# Altium PCB PCB1.PcbDoc
Units mm, origin at the board's own origin, x right, y up, seen from the top; angles counter-clockwise.
Board outline 83.73 x 56.93 mm, 2 copper layers (Top Layer, Bottom Layer); 26 components, 26 nets, 99 pads, 4 vias.
Unrouted connection lines stored in the file: 2.
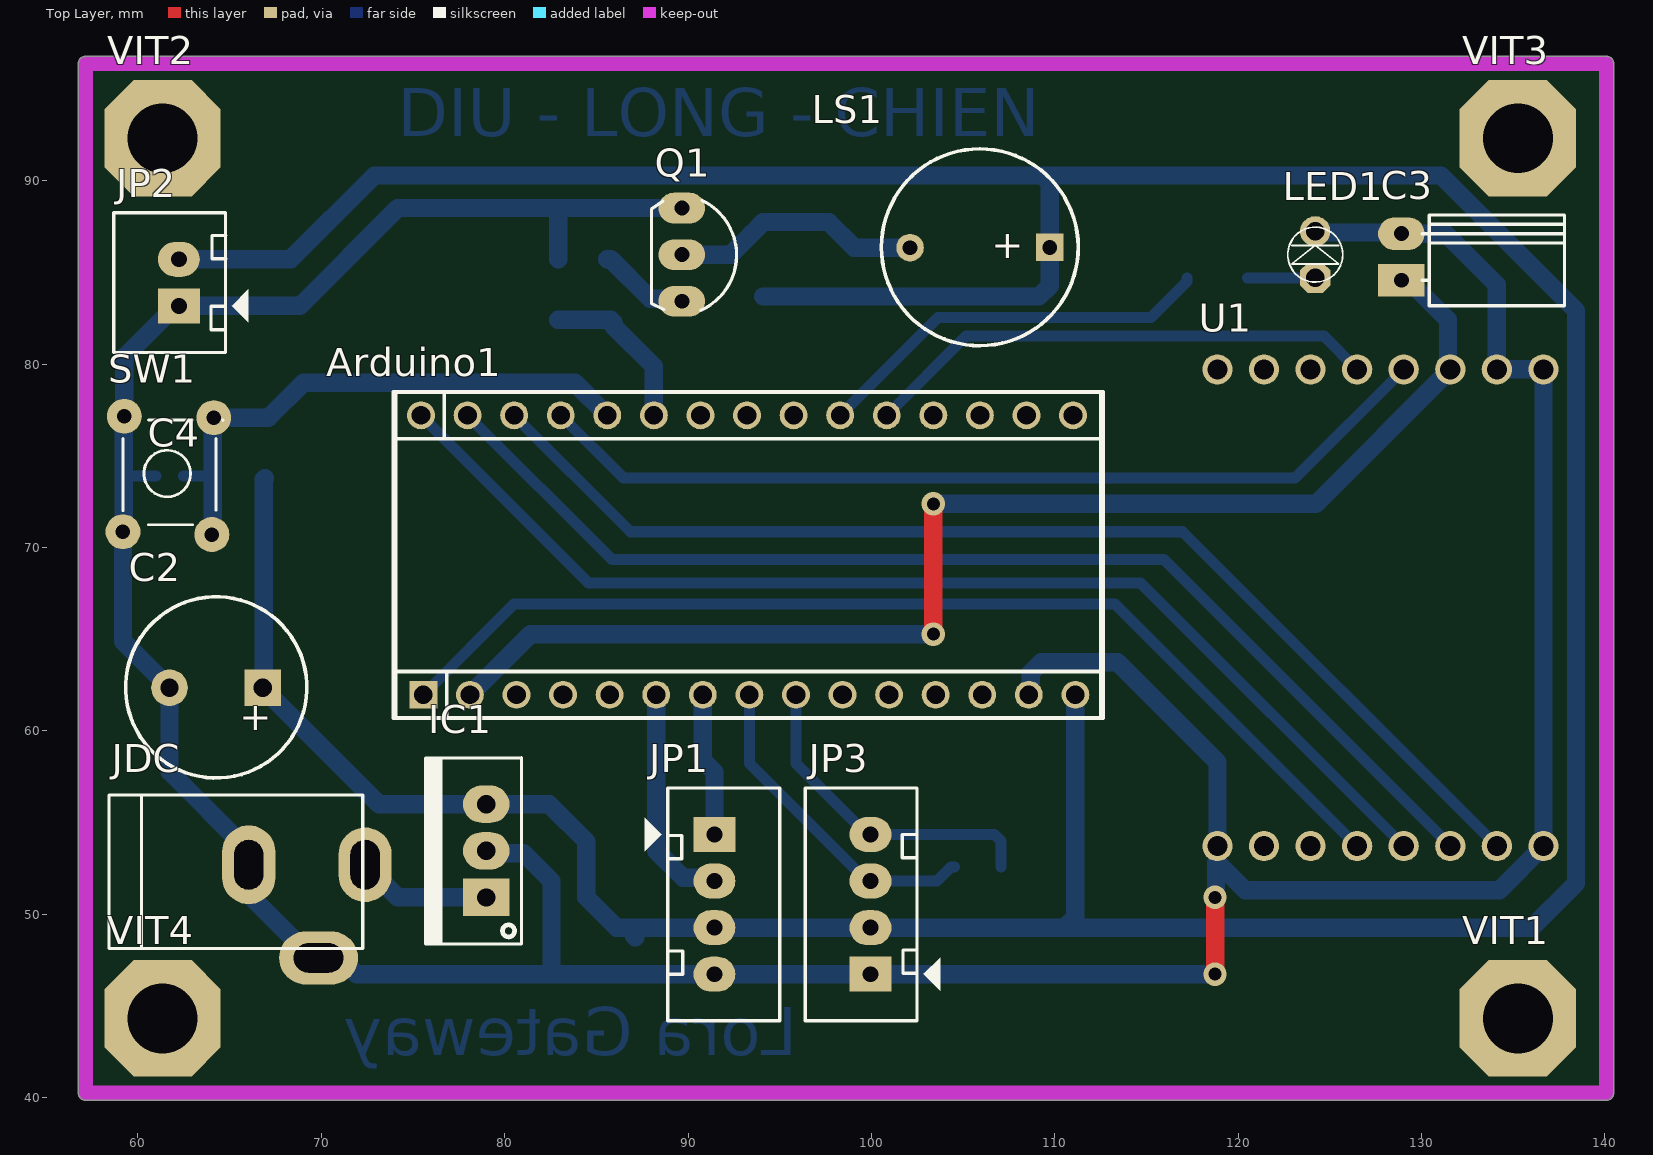
[diagram p0: Top Layer view]
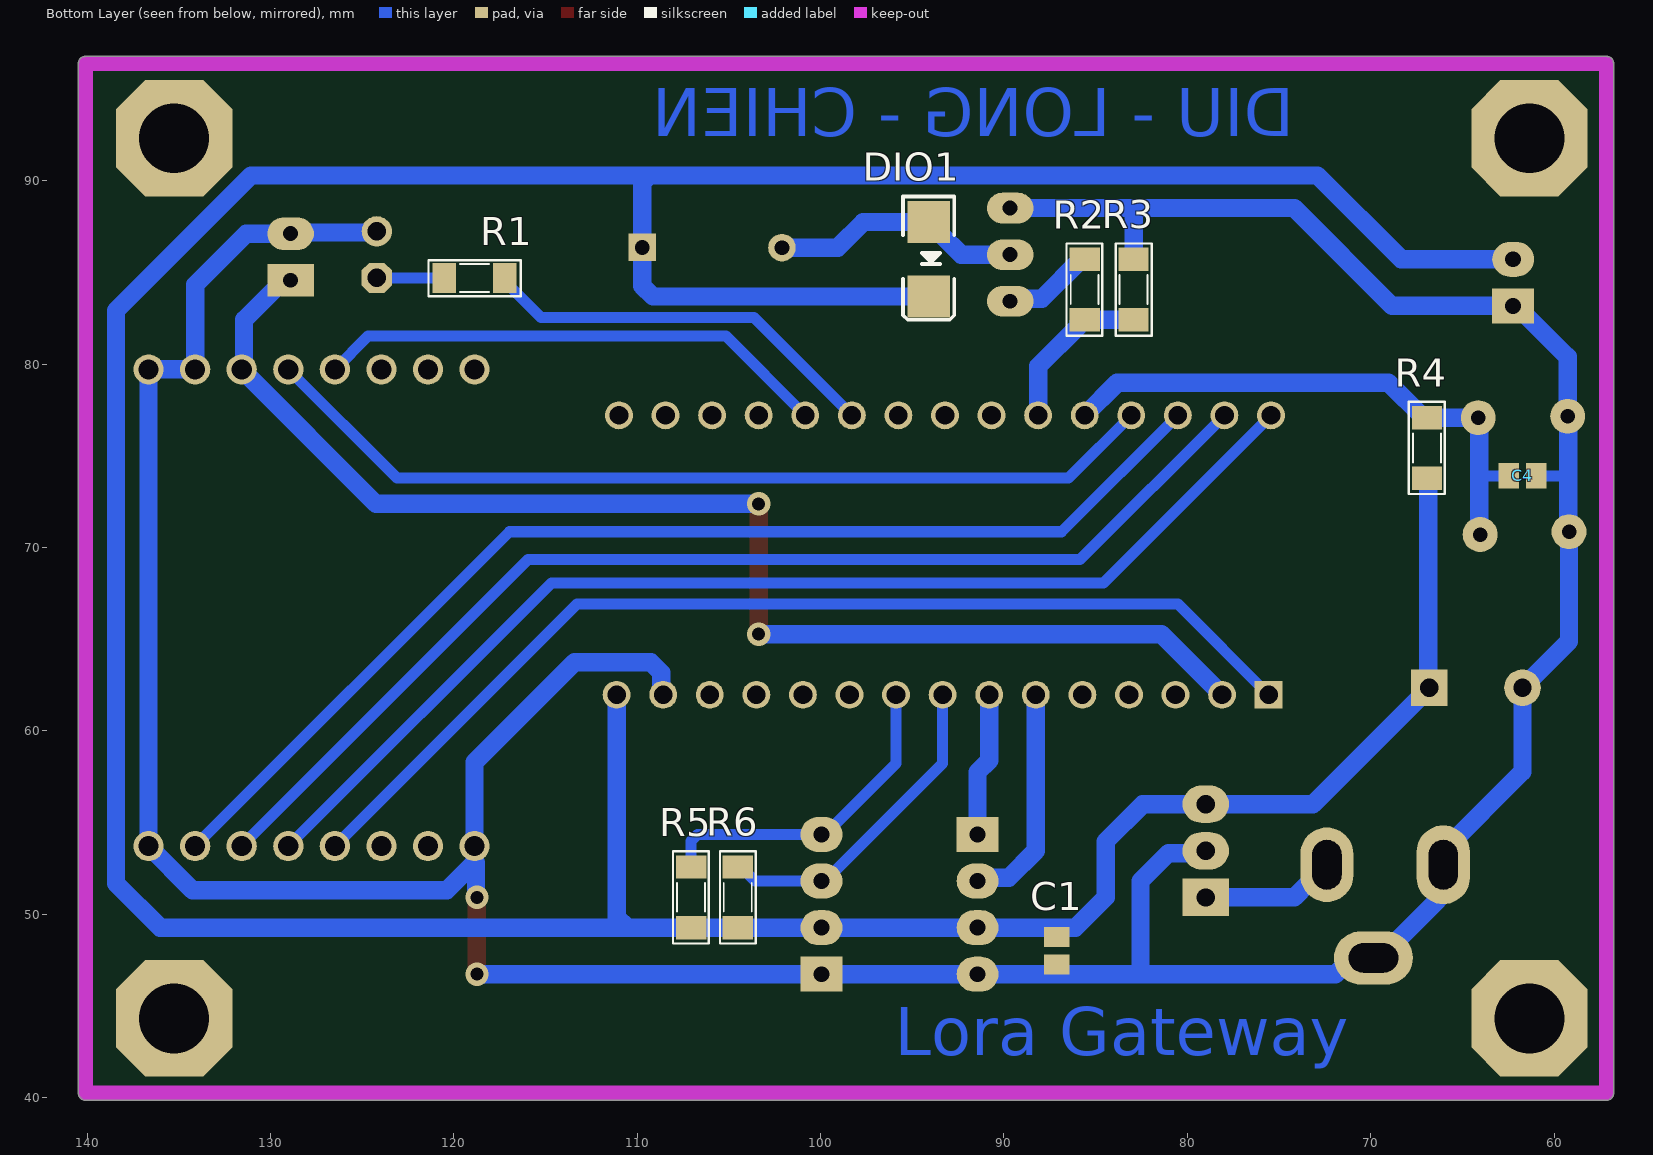
[diagram p1: Bottom Layer view, seen from below]

## Layer stack, top to bottom
Top Layer: signal copper 0.0356
Dielectric: dielectric 0.32, FR-4, Dk 4.8
Bottom Layer: signal copper 0.0356

## Board outline
56.75,40.259 56.75,96.393 cw(c57.15,96.393) 57.15,96.793 140.081,96.793 cw(c140.081,96.393) 140.481,96.393 140.481,40.259 cw(c140.081,40.259) 140.081,39.859 57.15,39.859 cw(c57.15,40.259)

## Design rules (kind name [scope] priority, off if disabled: settings)
Clearance [All] p1: gap=0.254
PolygonConnect [All] p1: connectstyle=Relief reliefconductorwidth=0.254 reliefentries=4 polygonreliefangle="90 Angle"
RoutingVias [All] p1: holewidth=0.711 width=1.27 viastyle="Through Hole" minholewidth=0.711 minwidth=1.27 maxholewidth=0.711 maxwidth=1.27
SilkscreenOverComponentPads SilkToSolderMaskClearance [IsPad] p1: minsilkscreentomaskgap=0.254
SolderMaskExpansion [All] p1: expansion=0.102
Width [All] p1: maxlimit=1 minlimit=0.3 preferedwidth=0.6
27 further rules are at their usual default settings.

## Components (designator, comment, footprint, x,y, rotation, side; value= is the part's Value field where it differs from the comment)
Arduino1 "Arduino Nano" "Arduino Nano" 93.472,68.834 r270 top
C1 "Capacitor Ceramic" C0805#1 87.122,48.006 r90 bottom
C2 "Cap Pol 8mm" C10mm 64.262,62.357 r180 top
C3 "CN-ALU-DIP" CA-ALU-5W 128.905,84.582 r90 top
C4 "Capacitor Ceramic" C0805#2 61.722,73.914 r0 top
DIO1 "Diode SMD" DIO-SMD-106 94.107,85.725 r90 bottom
IC1 "LM7805" QTO-220 78.994,50.927 r90 top
JDC "Jac DC" DC0 69.215,50.165 r0 top
JP1 "LCD_I2C" CON4 91.44,54.356 r270 top
JP2 "JP2" CON2 62.23,83.185 r90 top
JP3 "LCD_I2C" CON4 99.949,46.736 r90 top
LED1 "LED" LED-3MM-YELLOW 124.206,84.709 r90 top
LS1 "Speaker" SPEAKER 109.728,86.373 r180 top
Q1 "2SC1815" TO92-123 89.662,85.979 r270 top
R1 "1K" RES-SMD-1206 118.872,84.709 r0 bottom
R2 "1K" RES-SMD-1206 85.598,84.074 r90 bottom
R3 "10K" RES-SMD-1206 82.931,84.074 r270 bottom
R4 "4k7" RES-SMD-1206 66.929,75.438 r90 bottom
R5 "4k7" RES-SMD-1206 107.061,50.927 r90 bottom
R6 "4k7" RES-SMD-1206 104.521,50.927 r270 bottom
SW1 "SW" SW4 59.182,70.866 r90 top
U1 "Lora-02 SX1278" Lora02-sx1278 118.745,79.721 r270 top
VIT1 "1" VIT 135.255,44.323 r0 top
VIT2 "1" VIT 61.341,92.329 r0 top
VIT3 "1" VIT 135.255,92.329 r0 top
VIT4 "1" VIT 61.341,44.323 r0 top

## Footprints (in the part's own frame and the unit in brackets; to place one, negate y for a bottom-side part, rotate by r counter-clockwise, add the part's x,y. Pads: shape width x height; smd on the part's side, far side on the other; paste and mask are expansions set on the pad)
"Arduino Nano" [mm]
  round 1.52 hole 1.02: 3V3(6.858,-15.367) 5V(6.858,10.033) A0(6.858,-10.287) A1(6.858,-7.747) A2(6.858,-5.207) A3(6.858,-2.667) A4(6.858,-0.127) A5(6.858,2.413) A6(6.858,4.953) A7(6.858,7.493) D2(-8.382,7.366) D3(-8.382,4.826) D4(-8.382,2.286) D5(-8.382,-0.254) D6(-8.382,-2.794) D7(-8.382,-5.334) D8(-8.382,-7.874) D9(-8.382,-10.414) D10(-8.382,-12.954) D11(-8.382,-15.494) D12(-8.382,-18.034) GND(-8.382,9.906) GND(6.858,15.113) REF(6.858,-12.827) RST(-8.382,12.446) RST(6.858,12.573) RX0(-8.382,14.986) TX1(-8.382,17.526) VIN(6.858,17.653)
  rect 1.52x1.52 hole 1.02: D13(6.858,-17.907)
  silkscreen extent -9.65,-19.55 8.13,19.18, body extent -9.65,-23.48 8.14,21.44, height 21.18
C10mm [mm]
  rect 2x2 hole 1: 1(-2.54,0)
  round 2 hole 1: 2(2.54,0)
  silkscreen extent -4.95,-4.96 4.93,4.92, body extent -5,-5 4.97,5, height 20.01
C0805#1 [mm] "Chip Capacitor, Body 2.0x1.3mm, IPC High Density"
  rect 1.1x1.4 smd: 1(-0.75,0) 2(0.75,0)
  body extent -1.1,-0.72 1.1,0.72, height 1.4
C0805#2 [mm] "Chip Capacitor, Body 2.0x1.3mm, IPC High Density"
  rect 1.1x1.4 smd far side: 1(-0.75,0) 2(0.75,0)
  body extent -1.1,-0.72 1.1,0.72, height 1.4
CA-ALU-5W [mil] "Tu hoa < 22uF/16>50V"
  rect 70x100 hole 32: 1(0,0)
  oval 70x100 hole 32: 2(100,0)
  silkscreen extent -55,-350 140,-45, body extent -54,-351 144,16, height 199
CON2 [mil] "CON2"
  rect 75x90 hole 34: 1(0,0)
  oval 75x90 hole 34: 2(100,0)
  silkscreen extent -100,-150 200,140, body extent -68,-70 168,107, height 236
CON4 [mil] "CON4"
  rect 75x90 hole 34: 1(0,0)
  oval 75x90 hole 34: 2(100,0) 3(200,0) 4(300,0)
  silkscreen extent -100,-150 400,140, body extent -90,-90 398,136, height 276
DC0 [mm] "Jac DC input"
  oval 2.9x4.064 hole 1.6 slot 2.7 at 90 deg: 1(3.175,2.54)
  oval 2.9x4.3 hole 1.6 slot 2.7 at 90 deg: 2(-3.175,2.54)
  oval 4.3x2.9 hole 1.6 slot 2.7 at 0 deg: 3(0.635,-2.54)
  silkscreen extent -10.79,-2.03 3.05,6.35, body extent -10.42,-2.67 3.4,6.84, height 11.02
DIO-SMD-106 [mil]
  rect 90x90.55 smd: 1(80,0) 2(-80,0)
  silkscreen extent -130,-55 135,55, body extent -99,-50 106,52, height 95
LED-3MM-YELLOW [mil]
  oct 65x65 hole 40: 1(0,0)
  round 65 hole 40: 2(100,0)
  silkscreen extent -9,-59 109,59, body extent -27,-77 117,80, height 181
Lora02-sx1278 [mm]
  round 1.65 hole 1.1: 1(0,17.907) 2(0,15.367) 3(0,12.827) 4(0,10.287) 5(0,7.747) 6(0,5.207) 7(0,2.667) 8(0,0.127) 9(26,17.907) 10(26,15.367) 11(26,12.827) 12(26,10.287) 13(26,7.747) 14(26,5.207) 15(26,2.667) 16(26,0.127)
  body extent -1.27,-1.14 27.31,19.38, height 11.5
QTO-220 [mil] "TO-220 - 1-2-3"
  rect 80x100 hole 39: 1(0,0)
  oval 80x100 hole 39: 2(100,0) 3(200,0)
  silkscreen extent -100,-76 300,130, body extent -119,-64 322,121, height 755
RES-SMD-1206 [mil]
  rect 50x65 smd: 1(-65,0) 2(65,0)
  silkscreen extent -99,-38 99,39, body extent -63,-31 63,32, height 40
SPEAKER [mm]
  rect 1.5x1.5 hole 0.8: 1(0,0)
  round 1.5 hole 0.8: 2(7.62,0.013)
  silkscreen extent -1.55,-5.38 9.18,5.36, body extent -2.22,-6 13.24,6, height 4.5
SW4 [mil] "SW button 4pin, 250 x250 mil"
  round 75 hole 31: 1(0,0) 2(245,-195) 3(248,-3) 4(-6,-191)
  silkscreen extent 15,-215 240,0, body extent -36,-220 276,24, height 276
TO92-123 [mil] "TO-92"
  oval 66x100 hole 32: 1(-100,0) 2(0,0) 3(100,0)
  silkscreen extent -117,-65 120,118, body extent -109,-66 109,95, height 245
VIT [mm] "VIT"
  oct 6.35x6.35 hole 3.81: VIT1(0,0)

## Part data
Arduino1: "Arduino NANO"
C1 C4: library part CapSMD, "Capacitor"
C2: "Polarized Capacitor (Axial)"
C3: "Capacitor (Semiconductor SIM Model)"
DIO1: "Default Diode"
IC1: library part LM78xx, "On ap +, from + 5 to + 24VDC"
JDC: library part DCIN, "Jac DC input"
JP1 JP3: library part Con4, "Connector 4"
JP2: library part Con2, "Connector 2"
LED1: "LED Single colour Green and Red"
LS1: "Loudspeaker"
Q1: "NPN 600mW, ECB"
R1 R2 R3 R4 R5 R6: library part Res-SMD, "Resistor"
SW1: library part SW4, "Switch button 4 pin"
U1: "Lora-02 sx1278"
VIT1 VIT2 VIT3 VIT4: library part VIT, "Oc Vit"

## Via types
v1: diameter 1.27, hole 0.711, Top Layer to Bottom Layer, 4 vias

## Nets (pads, with @x,y where several pads share a name; then routed paths per layer and width w, separated by ;. In a path a pad name is that pad's centre, name@x,y a point inside that pad or via, vN(x,y) a via of type N, cw(c..) or ccw(c..) an arc to the next point about the centre after c; other vN are vias at no path point)
3V3: Arduino1.3V3 C3.1 U1.3 | length 71.2
  Top Layer w1: v1(103.378,65.278) v1(103.378,72.39)
  Bottom Layer w1: Arduino1.3V3 81.407,65.278 v1(103.378,65.278) ; v1(103.378,72.39) 124.241,72.39 U1.3 131.448,79.845 131.448,82.42 129.675,84.193 129.286,84.582 C3.1
+5: Arduino1.VIN C1.2 C2.1 DIO1.2 IC1.3 JP1.3 JP2.2 JP3.2 LS1.1 R4.1 R5.1 R6.2 | length 238.8
  Bottom Layer w1: JP2.2 68.326,85.725 72.898,90.297 109.347,90.297 ; R4.1 66.866,73.723 66.866,62.421 C2.1 73.152,56.007 IC1.3 82.423,56.007 84.455,53.975 84.455,50.927 86.106,49.276 JP1.3 JP3.2 R6.2 R5.1 110.539,49.276 ; C1.2@87.072,48.806 C1.2 ; DIO1.2 109.142,83.693 109.728,84.279 LS1.1 109.728,89.916 109.347,90.297 ; Arduino1.VIN 111.125,49.862 110.539,49.276 ; 109.347,90.297 109.728,90.297 131.064,90.297 138.43,82.931 138.43,51.689 136.017,49.276 110.539,49.276
BUTTON: Arduino1.D8 C4.2 R4.2 SW1.2 SW1.4 | length 31
  Bottom Layer w0.6: C4.2 64.071,73.914 64.084,73.901
  Bottom Layer w1: SW1.4 64.084,70.764 64.084,73.901 64.084,77.038 SW1.2 R4.2 67.12,77.089 69.025,78.994 83.82,78.994 Arduino1.D8
BUZZER: Arduino1.D7 R2.1 R3.2 | length 9
  Bottom Layer w1: R3.2 R2.1 85.789,82.423 85.924,82.288 85.924,82.097 88.138,79.883 Arduino1.D7
DIO0: Arduino1.D2 U1.5 | length 28.2
  Bottom Layer w0.6: Arduino1.D2 105.156,81.534 124.679,81.534 U1.5
DIO1: U1.6
DIO2: U1.7
DIO3: U1.8
DIO4: U1.15
DIO5: U1.14
GND: Arduino1.GND C1.1 C2.2 C3.2 C4.1 IC1.2 JDC.2 JDC.3 JP1.4 JP2.1 JP3.1 LED1.2 Q1.1 R3.1 SW1.1 SW1.3 U1.1 U1.2 U1.9 U1.16 | length 223.5
  Top Layer w1: v1(118.745,46.736) v1(118.745,50.927)
  Bottom Layer w0.6: 59.22,74.016 59.322,73.914 C4.1
  Bottom Layer w1: IC1.2 79.121,53.34 81.026,53.34 82.55,51.816 82.55,46.736 ; R3.1 82.931,88.519 ; Q1.1 82.931,88.519 ; Arduino1.GND@108.585,61.976 108.684,62.075 108.684,63.168 109.27,63.754 113.411,63.754 118.872,58.293 U1.16 118.872,52.832 120.396,51.308 134.239,51.308 U1.9 U1.1 U1.2 134.112,84.328 131.318,87.122 C3.2 128.841,87.185 124.269,87.185 LED1.2 ; v1(118.745,46.736) JP3.1 JP1.4 82.55,46.736 ; v1(118.745,50.927) 118.797,50.979 118.797,52.832 ; 82.55,46.736 71.918,46.736 71.029,47.625 69.505,47.625 66.335,50.795 66.335,52.41 JDC.2 66.04,53.467 61.722,57.785 C2.2 59.182,64.897 SW1.1 59.22,70.904 59.22,74.016 59.22,77.127 SW1.3 59.258,80.404 62.039,83.185 JP2.1 68.834,83.185 74.168,88.519 82.931,88.519
LED: Arduino1.D3 R1.1 | length 22.1
  Bottom Layer w0.6: Arduino1.D3 103.632,82.55 115.253,82.55 117.221,84.518 R1.1
LORA_RST: Arduino1.D9 U1.4 | length 49.9
  Bottom Layer w0.6: Arduino1.D9 86.487,73.787 123.098,73.787 U1.4
MISO: Arduino1.D12 U1.12 | length 63.3
  Bottom Layer w0.6: Arduino1.D12 84.582,68.072 114.681,68.072 U1.12
MOSI: Arduino1.D11 U1.11 | length 63.3
  Bottom Layer w0.6: Arduino1.D11 85.852,69.342 115.951,69.342 U1.11
NetDIO1_1: DIO1.1 LS1.2 Q1.2 | length 13.8
  Bottom Layer w1: Q1.2 92.329,85.979 93.457,87.107 93.457,87.114 94.1,87.757 DIO1.1 97.666,87.757 99.063,86.36 LS1.2
NetIC1_1: IC1.1 JDC.1 | length 7.5
  Bottom Layer w1: JDC.1 72.39,52.36 73.101,51.648 73.447,51.648 74.168,50.927 IC1.1
NetLED1_1: LED1.1 R1.2 | length 3.7
  Bottom Layer w0.6: R1.2 LED1.1
NetQ1_3: Q1.3 R2.2 | length 5
  Bottom Layer w1: R2.2 85.789,85.725 87.945,83.568 89.533,83.568 Q1.3
NSS: Arduino1.D10 U1.10 | length 63.3
  Bottom Layer w0.6: Arduino1.D10 86.868,70.866 116.967,70.866 U1.10
OUT1: Arduino1.A2 JP1.2 | length 12.4
  Bottom Layer w1: Arduino1.A2 88.265,53.467 89.743,51.989 91.267,51.989 JP1.2
OUT2: Arduino1.A3 JP1.1 | length 7.9
  Bottom Layer w1: Arduino1.A3 90.805,58.392 91.44,57.757 JP1.1
RST: Arduino1.RST
SCK: Arduino1.D13 U1.13 | length 58.4
  Bottom Layer w0.6: Arduino1.D13 80.518,66.929 113.284,66.929 U1.13
SCL: Arduino1.A5 JP3.4 R5.2 | length 18.1
  Bottom Layer w0.6: Arduino1.A5 95.885,58.229 99.758,54.356 JP3.4 106.71,54.356 107.061,54.005 R5.2
SDA: Arduino1.A4 JP3.3 R6.1 | length 17.9
  Bottom Layer w0.6: Arduino1.A4 93.345,58.229 99.758,51.816 JP3.3 103.568,51.816 104.33,52.578 R6.1
pads on no net: Arduino1.5V Arduino1.A0 Arduino1.A1 Arduino1.A6 Arduino1.A7 Arduino1.D4 Arduino1.D5 Arduino1.D6 Arduino1.REF Arduino1.RX0 Arduino1.TX1 VIT1.VIT1 VIT2.VIT1 VIT3.VIT1 VIT4.VIT1

## Keep-outs
Keep-Out Layer:
  lines w0.8: 57.15,40.259 140.081,40.259 140.081,96.393 57.15,96.393 57.15,40.259

## Other copper
Bottom Layer:
  text "DIU - LONG - CHIEN" at 74.16,92.448 h2.6
  text "Lora Gateway" at 95.97,42.31 h2.6

## Text inside footprints (layer, text, board x,y; h text height)
C2: Top Overlay "+" at 67.31,61.341 h1.52 r180
LS1: Top Overlay "+" at 108.318,87.084 h1.52 r180